# Altium PCB ROS-Robot-Controller.PcbDoc (part 2 of 2)
Units mm, origin at the board's own origin, x right, y up, seen from the top; angles counter-clockwise.
Board outline 50.09 x 64.28 mm, 2 copper layers (Top Layer, Bottom Layer); 82 components, 85 nets, 425 pads, 289 vias.
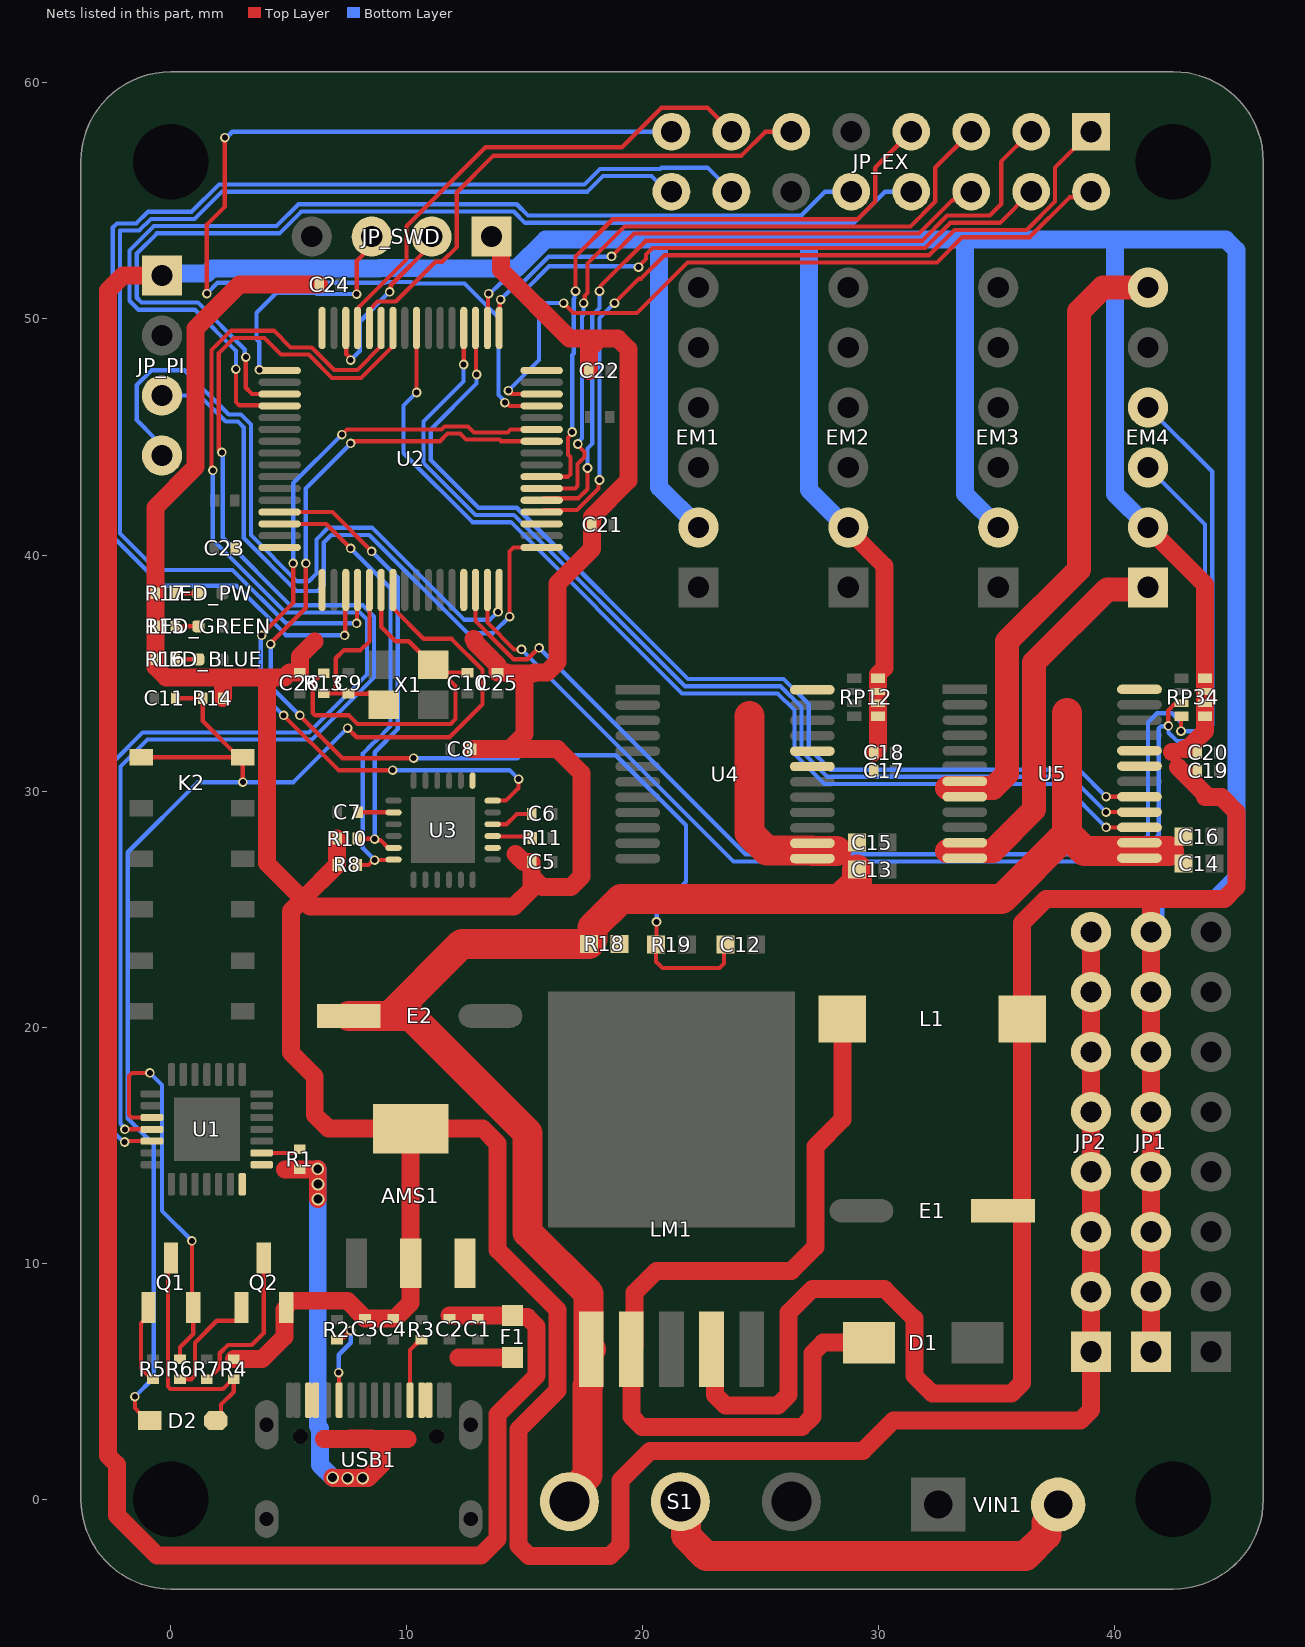
[diagram p2: the nets of this part, all layers, seen from the top]

## Via types
v1: diameter 0.406, hole 0.254, Top Layer to Bottom Layer, tented both sides, 181 vias
v2: diameter 0.61, hole 0.305, Top Layer to Bottom Layer, tented both sides, 102 vias
v3: diameter 0.533, hole 0.381, Top Layer to Bottom Layer, tented both sides, 6 vias

## Nets (pads, with @x,y where several pads share a name; then routed paths per layer and width w, separated by ;. In a path a pad name is that pad's centre, name@x,y a point inside that pad or via, vN(x,y) a via of type N, cw(c..) or ccw(c..) an arc to the next point about the centre after c; other vN are vias at no path point) (continued)
M4EA: EM4.3 RP34.4 U2.14 | length 55.1
  Top Layer w0.178: U2.14@12.91,38.519 12.91,37.205 13.462,36.653 13.462,36.641 14.52,35.583 15.113,35.583 v1(15.6,36.07) ; v1(42.799,32.535) 42.799,33.154 RP34.4@42.815,33.17
  Bottom Layer w0.178: v1(15.6,36.07) 15.603,36.07 24.35,27.323 40.608,27.323 41.402,28.117 41.402,32.916 41.783,33.297 42.418,33.297 42.799,32.916 v1(42.799,32.535) 43.434,32.535 43.815,32.916 43.815,41.298 EM4.3@41.402,43.711
M4EB: EM4.4 RP34.3 U2.15 | length 57.9
  Top Layer w0.178: U2.15@13.41,38.519 13.41,37.136 14.544,36.002 v1(14.855,36.002) ; v1(42.258,32.76) 42.258,33.418 42.499,33.659 42.754,33.659 RP34.3@42.815,33.72
  Bottom Layer w0.178: v1(14.855,36.002) 23.839,27.019 40.735,27.019 41.855,28.139 41.855,32.645 41.959,32.749 42.247,32.749 v1(42.258,32.76) ; EM4.4@41.402,46.251 44.12,43.533 44.12,32.79 43.446,32.116 42.625,32.116 42.272,32.469 42.272,32.748 v1@42.259,32.761
M4IN1: U2.35 U5.17 | length 43.4
  Top Layer w0.178: U2.35@12.91,49.619 12.932,49.597 12.932,47.67 v1(12.954,47.648) ; v1(39.624,29.759) U5.17@41.038,29.759
  Bottom Layer w0.178: v1(12.954,47.648) 12.954,47.267 11.011,45.324 11.011,44.028 13.037,42.001 14.656,42.001 21.913,34.745 25.961,34.745 27.026,33.68 27.026,31.823 27.942,30.907 38.476,30.907 v1(39.624,29.759)
M4IN2: U2.36 U5.16 | length 44
  Top Layer w0.178: v1(12.404,48.071) 12.41,48.078 U2.36@12.41,49.619 ; v1(39.624,29.109) U5.16@41.038,29.109
  Bottom Layer w0.178: v1(12.404,48.071) 12.404,47.352 10.706,45.654 10.706,43.902 12.911,41.697 14.53,41.697 21.786,34.44 25.835,34.44 26.721,33.554 26.721,31.697 27.816,30.602 38.131,30.602 v1(39.624,29.109)
M4OUT1: EM4.1 U5.11 U5.12 | length 16.8
  Top Layer w1.016: 32.893,27.455 33.638,27.455 33.65,27.467 34.823,27.467 36.576,29.22 36.576,35.438 39.674,38.536 41.307,38.536 EM4.1@41.402,38.631
M4OUT2: EM4.6 U5.7 U5.8 | length 27
  Top Layer w1.016: 32.893,30.122 34.838,30.122 35.433,30.717 35.433,36.345 38.481,39.393 38.481,50.315 39.497,51.331 EM4.6@41.402,51.331
M4PWM: U2.40 U5.15 | length 44.4
  Top Layer w0.178: U2.40@10.41,49.619 10.412,49.617 10.412,46.888 v1(10.414,46.886) ; v1(39.624,28.459) U5.15@41.038,28.459
  Bottom Layer w0.178: v1(10.414,46.886) 9.862,46.334 9.862,44.314 12.785,41.392 14.404,41.392 21.66,34.135 25.709,34.135 26.416,33.428 26.416,31.571 27.69,30.297 37.786,30.297 v1(39.624,28.459)
MPU6050_INT: U2.27 U3.12 | length 35.3
  Top Layer w0.178: v1(3.848,36.599) 3.848,36.637 5.182,37.971 v1(5.182,39.647) ; v1(4.775,33.208) 7.099,30.884 v1(9.398,30.884) ; v1(7.243,45.104) 7.458,45.319 11.468,45.319 11.6,45.451 12.588,45.451 12.842,45.197 14.271,45.197 14.393,45.319 U2.27@15.71,45.319 ; U3.12@13.634,29.594 14.204,29.594 14.732,30.122 v1(14.732,30.503)
  Bottom Layer w0.178: v1(3.848,36.599) 3.81,36.561 3.81,34.173 v1(4.775,33.208) ; v1(5.182,39.647) 5.182,43.043 v1(7.243,45.104) ; v1(9.398,30.884) 14.351,30.884 v1(14.732,30.503)
MPU6050_SCL: R10.1 U2.61 U3.23 | length 19.3
  Top Layer w0.178: U2.61@4.61,41.819 6.845,41.819 v1(8.509,40.155) ; R10.1@7.893,27.989 7.906,27.976 8.623,27.976 8.68,27.919 8.884,27.919 9.209,27.594 U3.23@9.434,27.594
  Bottom Layer w0.178: v1(8.509,40.155) 9.614,39.05 9.614,32.624 8.636,31.646 v1(8.636,27.963)
MPU6050_SDA: R8.1 U2.62 U3.24 | length 19.7
  Top Layer w0.178: U2.62@4.61,41.319 6.583,41.319 v1(7.62,40.282) ; R8.1@7.893,26.872 8.372,26.872 8.574,27.074 v1(8.636,27.074) 8.646,27.084 9.424,27.084 U3.24@9.434,27.094
  Bottom Layer w0.178: v1(7.62,40.282) 9.309,38.593 9.309,32.751 8.688,32.129 8.669,32.129 8.509,31.969 8.134,31.594 8.134,31.138 8.128,31.133 8.128,27.582 v1(8.636,27.074)
NetC6_2: C6.2 U3.10 | length 1.8
  Top Layer w0.178: U3.10@13.634,28.594 14.22,28.594 14.657,29.031 C6.2@15.289,29.031
NetC7_1: C7.1 U3.20 | length 1.5
  Top Layer w0.178: C7.1@7.943,29.106 7.949,29.1 9.428,29.1 U3.20@9.434,29.094
NetD1_2: D1.2 L1.1 LM1.2 | length 37.2
  Top Layer w0.762: L1.1@28.448,20.343 28.448,16.089 27.305,14.946 27.305,10.691 26.289,9.675 20.574,9.675 19.653,8.754 19.653,6.494 LM1.2@19.509,6.35 19.509,3.494 19.955,3.048 26.732,3.048 27.178,3.494 27.178,6.181 27.624,6.627 D1.2@29.577,6.627
NetD2_2: D2.2 Q1.3 R4.2 | length 10.6
  Top Layer w0.178: Q1.3@0,10.217 -0.127,10.09 -0.127,4.77 -0.023,4.666 2.201,4.666 2.617,5.082 R4.2@2.667,5.082 2.667,4.551 2.119,4.003 2.119,3.536 D2.2@1.908,3.325
NetLED_BLUE_1: LED_BLUE.1 R16.1 | length 1
  Top Layer w0.178: R16.1@0.192,35.583 LED_BLUE.1@1.164,35.583
NetLED_GREEN_1: LED_GREEN.1 R15.1 | length 1
  Top Layer w0.178: R15.1@0.192,36.98 LED_GREEN.1@1.164,36.98
NetLED_PW_1: LED_PW.1 R17.1 | length 1
  Top Layer w0.178: R17.1@0.192,38.377 LED_PW.1@1.164,38.377
NetQ1_1: Q1.1 R5.2 | length 3.4
  Top Layer w0.178: Q1.1@-0.95,8.117 -0.95,7.767 -1.161,7.556 -1.166,7.556 -1.27,7.452 -1.27,5.54 -0.812,5.082 R5.2@-0.762,5.082
NetQ2_1: Q2.1 R6.2 | length 4.9
  Top Layer w0.178: R6.2@0.381,5.082 0.868,5.082 1.016,5.23 1.016,6.627 1.945,7.556 2.776,7.556 2.987,7.767 Q2.1@2.987,8.117
NetQ2_3: Q2.3 R7.1 | length 6.8
  Top Layer w0.178: R7.1@1.524,5.082 1.574,5.082 2.07,5.578 2.07,6.179 2.42,6.529 3.429,6.529 3.937,7.037 Q2.3@3.937,10.217
NetR1_1: R1.1 U1.9 | length 1.7
  Top Layer w0.178: U1.9@3.848,14.667 5.256,14.667 5.411,14.822 R1.1@5.461,14.822
NetR2_2: R2.2 USB1.A5 | length 3.9
  Top Layer w0.178: R2.2@7.036,6.754 7.144,6.862 7.347,6.862 v1(7.62,7.135) ; v1(7.112,5.357) 7.122,5.347 7.122,4.204 USB1.A5@7.132,4.194
  Bottom Layer w0.178: v1(7.112,5.357) 7.112,6.119 7.62,6.627 v1(7.62,7.135)
NetR3_2: R3.2 USB1.B5 | length 2.8
  Top Layer w0.178: USB1.B5@10.132,4.194 10.132,6.319 10.567,6.754 R3.2@10.617,6.754
NetR11_2: R11.2 U3.9 | length 1.7
  Top Layer w0.178: U3.9@13.634,28.094 13.648,28.08 15.249,28.08 R11.2@15.314,28.015
NetS1_2: S1.2 VIN1.2 | length 19
  Top Layer w1.27: S1.2@21.589,-0.104 21.824,-0.337 21.824,-1.548 22.69,-2.413 36.206,-2.413 37.1,-1.519 37.1,-1.002 37.719,-0.383 VIN1.2@37.719,-0.358
OSCIN: C9.1 R13.2 U2.5 X1.3 | length 8.8
  Top Layer w0.178: R13.2@6.604,34.142 6.613,34.133 6.985,34.133 7.066,34.133 ; X1.3@8.402,34.166 8.456,34.166 8.471,34.151 X1.3@8.471,34.124 ; U2.5@8.41,38.519 8.41,36.344 8.035,35.969 7.329,35.969 6.985,35.625 6.985,34.213 7.066,34.133 ; X1.3@9.017,33.655 X1.3@8.967,33.655 ; 7.066,34.133 7.518,34.133 C9.1@7.527,34.124 X1.3@8.471,34.124 ; X1.3@8.471,34.124 8.471,34.097 8.913,33.655 X1.3@8.967,33.655 ; X1.3@8.471,34.124 8.498,34.124 X1.3@8.967,33.655
OSCOUT: C10.1 R13.1 U2.6 X1.1 | length 16.5
  Top Layer w0.178: R13.1@6.477,34.992 6.427,34.992 6.011,34.576 6.011,33.312 6.115,33.208 7.54,33.208 7.909,32.839 11.856,32.839 12.065,33.048 12.065,34.457 X1.1@11.505,35.017 ; U2.6@8.91,38.519 8.91,36.96 9.525,36.345 10.077,36.345 11.067,35.355 11.167,35.355 X1.1@11.505,35.017 ; C10.1@12.573,35.017 X1.1@11.505,35.017
PA4: JP_EX.1 U2.20 | length 35
  Top Layer w0.178: U2.20@15.71,41.819 15.799,41.908 17.204,41.908 18.117,42.821 18.117,43.136 v1(18.161,43.18) ; v1(18.796,50.673) 19.832,51.709 19.917,51.709 20.909,52.702 32.128,52.702 33.195,53.769 36.26,53.769 37.465,54.974 37.465,56.411 JP_EX.1@38.989,57.935
  Bottom Layer w0.178: v1(18.161,43.18) 18.161,50.038 v1(18.796,50.673)
PA5: JP_EX.3 U2.21 | length 33
  Top Layer w0.178: U2.21@15.71,42.319 15.799,42.408 17.273,42.408 17.653,42.788 v1(17.653,43.688) ; v1(18.161,51.181) 18.205,51.225 18.205,51.394 18.397,51.587 20.122,53.311 31.825,53.311 32.893,54.379 34.694,54.379 35.179,54.864 35.179,56.665 JP_EX.3@36.449,57.935
  Bottom Layer w0.178: v1(17.653,43.688) 17.653,44.519 17.856,44.723 17.856,50.164 18.161,50.469 v1(18.161,51.181)
PA6: JP_EX.5 U2.22 | length 30.8
  Top Layer w0.178: U2.22@15.71,42.819 17.13,42.819 17.234,42.923 17.234,43.862 17.526,44.154 17.526,44.361 17.245,44.642 v1(17.245,44.704) ; v1(17.488,50.673) 17.532,50.717 17.532,50.975 17.653,51.096 17.653,52.347 19.227,53.921 31.332,53.921 32.385,54.974 32.385,56.411 JP_EX.5@33.909,57.935
  Bottom Layer w0.178: v1(17.245,44.704) 17.245,44.766 17.424,44.945 17.424,50.114 17.488,50.178 v1(17.488,50.673)
PA7: JP_EX.7 U2.23 | length 27.9
  Top Layer w0.178: U2.23@15.71,43.319 16.825,43.319 16.929,43.423 16.929,44.145 16.826,44.249 16.826,44.971 17.005,45.15 v1(17.005,45.212) ; v1(17.145,51.181) 17.145,52.651 18.72,54.226 29.096,54.226 29.845,54.974 29.845,56.411 JP_EX.7@31.369,57.935
  Bottom Layer w0.178: v1(17.005,45.212) 17.005,48.473 17.069,48.536 17.069,50.847 17.101,50.879 17.101,51.137 v1(17.145,51.181)
PA11: JP_EX.11 U2.44 | length 23.1
  Top Layer w0.178: U2.44@8.41,49.619 8.41,50.386 8.758,50.735 9.526,50.735 11.215,52.424 11.491,52.424 12.115,53.049 12.115,55.368 13.666,56.919 24.17,56.919 25.186,57.935 JP_EX.11@26.289,57.935
PA12: JP_EX.13 U2.45 | length 21.4
  Top Layer w0.178: U2.45@7.91,49.619 7.91,50.402 7.971,50.463 7.971,50.516 9.983,52.528 9.983,53.932 10.607,54.556 13.329,57.277 19.114,57.277 20.788,58.951 22.733,58.951 JP_EX.13@23.749,57.935
PB10: JP_EX.15 U2.29 | length 44.5
  Top Layer w0.178: v1(1.524,51.077) 1.524,53.998 2.286,54.76 v1(2.286,57.681) ; v1(14.148,46.454) 14.21,46.454 14.345,46.319 U2.29@15.71,46.319
  Bottom Layer w0.178: v1(1.524,51.077) 1.982,51.535 9.059,51.535 9.097,51.573 10.201,51.573 10.265,51.509 12.437,51.509 13.881,50.065 13.881,46.783 14.148,46.516 v1(14.148,46.454) ; v1(2.286,57.681) 2.348,57.681 2.602,57.935 JP_EX.15@21.209,57.935
PB11: JP_EX.2 U2.30 | length 31.3
  Top Layer w0.178: v1(14.303,46.965) 14.303,46.941 14.425,46.819 U2.30@15.71,46.819 ; v1(16.637,50.673) 17.056,50.254 19.751,50.254 20.616,51.119 21.894,52.397 32.458,52.397 33.526,53.465 36.386,53.465 38.076,55.155 38.749,55.155 JP_EX.2@38.989,55.395
  Bottom Layer w0.178: v1(14.303,46.965) 15.597,48.259 15.597,50.418 15.852,50.673 v1(16.637,50.673)
PB12: JP_EX.4 U2.33 | length 25.8
  Top Layer w0.178: U2.33@13.91,49.619 13.933,49.642 13.933,50.786 v1(13.97,50.823) ; v1(19.812,52.197) 19.812,52.22 20.133,52.541 20.133,52.729 20.41,53.007 31.952,53.007 33.019,54.074 35.128,54.074 JP_EX.4@36.449,55.395
  Bottom Layer w0.178: v1(13.97,50.823) 14.377,51.23 15.023,51.23 16.025,52.233 19.776,52.233 v1(19.812,52.197)
PB13: JP_EX.6 U2.34 | length 23.7
  Top Layer w0.178: U2.34@13.41,49.619 13.433,49.642 13.433,51.048 v1(13.462,51.077) ; v1(18.669,52.652) 19.633,53.616 31.699,53.616 33.117,55.034 33.163,55.034 33.524,55.395 JP_EX.6@33.909,55.395
  Bottom Layer w0.178: v1(13.462,51.077) 13.524,51.077 13.982,51.535 14.897,51.535 16.001,52.639 18.656,52.639 v1(18.669,52.652)
PC10: JP_EX.8 U2.51 | length 44.8
  Top Layer w0.178: v1(3.175,48.387) 3.175,47.087 3.443,46.819 U2.51@4.61,46.819
  Bottom Layer w0.178: v1(3.175,48.387) 3.131,48.431 3.131,48.707 1.142,50.696 -1.243,50.696 -1.447,50.9 -1.447,52.778 -0.595,53.63 4.601,53.63 5.527,54.556 14.528,54.556 15.01,54.074 28.945,54.074 30.266,55.395 JP_EX.8@31.369,55.395
PC11: JP_EX.10 U2.52 | length 43.6
  Top Layer w0.178: v1(2.756,47.879) 2.756,46.485 2.898,46.342 4.587,46.342 U2.52@4.61,46.319
  Bottom Layer w0.178: v1(2.756,47.879) 2.756,48.651 1.016,50.391 -1.37,50.391 -1.752,50.773 -1.752,52.905 -0.722,53.935 4.475,53.935 5.401,54.861 14.655,54.861 15.136,54.379 26.71,54.379 27.726,55.395 JP_EX.10@28.829,55.395
PC14: JP_EX.14 U2.3 | length 54.3
  Top Layer w0.178: v1(7.366,36.599) 7.388,36.621 7.388,38.497 U2.3@7.41,38.519
  Bottom Layer w0.178: v1(7.366,36.599) 7.36,36.605 4.87,36.605 2.777,38.698 -0.371,38.698 -2.464,40.791 -2.464,53.87 -2.285,54.049 -1.47,54.049 -0.974,54.544 0.878,54.544 2.034,55.7 17.527,55.7 18.187,56.36 20.737,56.36 20.788,56.411 22.733,56.411 JP_EX.14@23.749,55.395
PC15: JP_EX.16 U2.4 | length 50.5
  Top Layer w0.178: v1(7.874,37.107) 7.892,37.125 7.892,38.501 U2.4@7.91,38.519
  Bottom Layer w0.178: v1(7.874,37.107) 4.88,37.107 2.617,39.37 -0.612,39.37 -2.159,40.917 -2.159,53.744 -1.343,53.744 -0.848,54.24 1.005,54.24 2.16,55.395 17.653,55.395 18.313,56.055 20.361,56.055 21.021,55.395 JP_EX.16@21.209,55.395
RESET: C11.2 D2.1 K2.1 K2.2 R14.1 U2.7 | length 59.7
  Top Layer w0.178: v1(-1.524,4.341) -1.524,3.857 -1.303,3.636 -0.992,3.325 D2.1@-0.892,3.325 ; K2.1@-1.261,31.428 K2.2@2.889,31.428 ; C11.2@0.196,33.932 R14.1@1.353,33.932 1.353,32.964 K2.2@2.889,31.428 ; K2.2@3.039,31.235 3.06,31.235 3.048,31.223 v1(3.048,30.376) ; K2.2@3.039,31.428 K2.2@2.889,31.428 ; v1(7.487,32.668) 7.874,32.281 11.811,32.281 13.208,33.678 13.208,35.137 11.896,36.449 10.713,36.449 9.41,37.752 U2.7@9.41,38.519
  Bottom Layer w0.178: v1(-1.524,4.341) -0.724,5.141 -0.724,15.027 -1.828,16.131 -1.828,27.405 1.143,30.376 v1(3.048,30.376) 5.194,30.376 v1(7.487,32.668)
RTS: Q1.2 R6.1 U1.24 | length 16.7
  Top Layer w0.178: v1(-0.889,18.057) -1.651,18.057 -1.778,17.93 -1.778,16.279 -1.666,16.167 U1.24@-0.8,16.167 ; R6.1@0.381,5.932 0.381,6.434 0.95,7.003 Q1.2@0.95,8.117 0.889,8.178 v1(0.889,10.945)
  Bottom Layer w0.178: v1(-0.889,18.057) -0.381,17.549 -0.381,12.215 v1(0.889,10.945)
SWCLK: JP_SWD.3 U2.49 | length 10.7
  Top Layer w0.178: v1(3.745,47.842) 3.769,47.819 U2.49@4.61,47.819 ; v1(7.874,51.054) 7.874,52.458 8.509,53.093 JP_SWD.3@8.509,53.49
  Bottom Layer w0.178: v1(3.745,47.842) 3.745,49.028 3.632,49.141 3.632,50.264 4.484,51.116 6.117,51.116 6.179,51.054 v1(7.874,51.054)
SWDIO: JP_SWD.2 U2.46 | length 8.1
  Top Layer w0.178: U2.46@7.41,49.619 7.433,49.596 7.433,48.508 7.62,48.322 v1(7.62,48.26) ; v1(9.271,51.154) 9.315,51.198 9.315,51.429 11.049,53.163 JP_SWD.2@11.049,53.49
  Bottom Layer w0.178: v1(7.62,48.26) 8.001,48.641 8.001,49.884 v1(9.271,51.154)
USART1_RX_DEBUG: U1.26 U2.43 | length 57.8
  Top Layer w0.178: v1(-1.956,15.13) -1.919,15.167 U1.26@-0.8,15.167 U1.26@-0.546,15.167 ; v1(1.778,43.584) 1.727,43.635 1.727,48.409 1.727,48.69 2.541,49.505 2.823,49.505 4.366,49.505 5.076,48.795 5.967,48.795 6.921,47.841 7.899,47.841 8.91,48.852 U2.43@8.91,49.619
  Bottom Layer w0.178: v1(-1.956,15.13) -2.012,15.13 -2.437,15.555 -2.437,31.241 -1.194,32.484 5.848,32.484 8.306,34.942 8.306,37.268 8.009,37.564 4.854,37.564 1.778,40.64 v1(1.778,43.584)
USART1_TX_DEBUG: U1.25 U2.42 | length 57.1
  Top Layer w0.178: v1(-1.953,15.663) -1.949,15.667 U1.25@-0.8,15.667 U1.25@-0.546,15.667 ; v1(2.159,44.346) 2.032,44.473 2.032,48.283 2.032,48.564 2.668,49.2 2.949,49.2 3.964,49.2 4.674,48.49 5.841,48.49 6.832,47.498 8.056,47.498 9.41,48.852 U2.42@9.41,49.619
  Bottom Layer w0.178: v1(-1.953,15.663) -1.953,15.725 -2.132,15.905 -2.132,31.038 -0.991,32.179 5.974,32.179 8.611,34.816 8.611,37.394 8.136,37.869 5.074,37.869 2.197,40.746 2.197,44.308 v1(2.159,44.346)
USART2_RX_PI: JP_PI.3 U2.17 | length 29.2
  Top Layer w0.178: v1(14.351,37.386) 14.351,40.155 14.515,40.319 U2.17@15.71,40.319
  Bottom Layer w0.178: JP_PI.3@-0.381,46.759 1.22,46.759 2.325,45.654 2.841,45.654 3.086,45.409 3.086,40.719 5.326,38.479 6.217,38.479 6.477,38.739 6.477,40.536 6.795,40.854 8.403,40.854 12.567,36.689 13.654,36.689 v1(14.351,37.386)
USART2_TX_PI: JP_PI.4 U2.16 | length 29.9
  Top Layer w0.178: v1(13.859,37.591) 13.887,37.619 13.887,38.496 U2.16@13.91,38.519
  Bottom Layer w0.178: JP_PI.4@-0.381,44.219 -0.672,44.51 -0.672,44.942 -1.447,45.717 -1.447,47.201 -0.823,47.825 0.585,47.825 2.451,45.959 2.967,45.959 3.391,45.535 3.391,40.845 5.351,38.885 5.842,38.885 6.172,39.215 6.172,40.662 6.668,41.158 8.529,41.158 12.427,37.261 13.525,37.261 13.855,37.591 v1(13.859,37.591)
USB_5V: F1.1 R1.2 U1.7 U1.8 USB1.A4 USB1.A9 USB1.B4 USB1.B9 | length 27.7
  Top Layer w0.762: 4.826,13.972 6.202,13.972 v3(6.223,13.993) v3@6.223,12.711 ; 6.477,2.54 10.033,2.54 ; v3(6.858,0.912) 6.881,0.889 v3(8.128,0.889) 8.359,0.889 8.955,1.485 8.955,2.117 8.509,2.563 7.599,2.563 ; 12.192,5.992 F1.1@14.478,5.992
  Bottom Layer w0.762: v3(6.223,13.993) 6.223,3.101 6.325,2.999 6.325,1.445 6.881,0.889 v3(8.128,0.889)
  other v3: 7.493,0.889 6.234,12.711 6.234,13.346
VCC3V3: AMS1.2 AMS1.4 C3.2 C4.2 C5.2 C8.1 C21.2 C22.2 C23.2 C24.2 C25.2 C26.2 JP2.1 JP2.2 JP2.3 JP2.4 JP2.5 JP2.6 JP2.7 JP2.8 JP_SWD.1 Q2.2 R4.1 R8.2 R10.2 R14.2 R15.2 R16.2 R17.2 U2.1 U2.13 U2.19 U2.32 U2.48 U2.64 U3.8 U3.13 | length 219.9
  Top Layer w0.762: R14.2@2.203,33.932 2.203,34.738 2.286,34.821 ; R4.1@2.667,5.932 3.872,5.932 4.806,6.866 4.806,8.036 Q2.2@4.887,8.117 ; 4.308,34.821 4.064,34.821 ; 4.322,34.821 4.822,34.821 5.018,35.017 C26.2@5.461,35.017 5.461,35.71 6.096,36.345 ; 5.333,8.405 7.479,8.405 C3.2@8.23,7.654 C4.2@9.423,7.654 9.499,7.654 10.16,8.315 AMS1.2@10.16,10 AMS1.4@10.16,15.7 ; C24.2@6.281,51.458 2.911,51.458 1.049,49.596 1.049,43.728 -0.658,42.021 R17.2@-0.658,38.377 R15.2@-0.658,36.98 R16.2@-0.658,35.583 -0.658,35.265 -0.214,34.821 2.286,34.821 ; R10.2@7.043,27.989 R8.2@7.043,26.872 5.588,25.417 ; C8.1@12.746,31.773 14.351,31.773 ; 12.832,36.439 12.89,36.38 12.89,36.299 13.843,35.346 C25.2@13.843,35.017 14.242,35.017 14.273,34.986 15.36,34.986 15.391,35.017 15.937,35.017 16.383,35.463 16.383,38.798 17.838,40.253 C21.2@17.838,41.275 17.838,41.61 19.38,43.152 19.38,48.726 18.934,49.172 16.891,49.172 13.977,52.086 13.977,53.102 JP_SWD.1@13.589,53.49 ; 14.57,34.986 14.986,34.571 14.986,32.408 14.351,31.773 ; 14.605,27.328 14.934,26.999 C5.2@15.289,26.999 15.289,26.377 ; C22.2@17.711,47.798 17.711,48.726 18.157,49.172 ; JP2.8@38.989,24.026 JP2.7@38.989,21.486 JP2.6@38.989,18.946 JP2.5@38.989,16.406 JP2.4@38.989,13.866 JP2.3@38.989,11.326 JP2.2@38.989,8.786 JP2.1@38.989,6.246 38.989,3.771 38.543,3.325 30.607,3.325 29.314,2.032 20.297,2.032 19.05,0.785 19.05,-1.967 18.604,-2.413 15.178,-2.413 14.732,-1.967 14.732,2.944 16.383,4.595 16.383,8.024 13.843,10.564 13.843,15.071 13.214,15.7 AMS1.4@10.16,15.7 ; 2.286,34.821 4.064,34.821 ; 4.064,34.821 4.064,26.941 5.588,25.417 ; 5.588,25.417 5.899,25.106 14.542,25.106 15.289,25.853 15.289,26.377 ; 5.588,25.417 5.088,24.917 5.088,23.085 5.08,23.077 5.08,18.923 6.096,17.907 6.096,16.279 6.675,15.7 AMS1.4@10.16,15.7 ; 14.351,31.773 16.383,31.773 17.399,30.757 17.399,26.377 16.953,25.931 15.735,25.931 15.551,26.115 15.289,26.377
  Bottom Layer w0.762: JP2.1@38.989,6.246 JP2.2@38.989,8.786 JP2.3@38.989,11.326 JP2.4@38.989,13.866 JP2.5@38.989,16.406 JP2.6@38.989,18.946 JP2.7@38.989,21.486 JP2.8@38.989,24.026
VCC5V: AMS1.3 C1.2 C2.2 C17.1 C18.2 C19.1 C20.2 E1.1 EM1.2 EM2.2 EM3.2 EM4.2 F1.2 JP1.1 JP1.2 JP1.3 JP1.4 JP1.5 JP1.6 JP1.7 JP1.8 JP_PI.1 L1.2 LM1.4 RP12.5 RP12.6 RP12.7 RP12.8 RP34.5 RP34.6 RP34.7 RP34.8 U4.19 U4.20 U5.19 U5.20 | length 331.4
  Top Layer w0.762: JP_PI.1@-0.381,51.839 -2.032,51.839 -2.667,51.204 -2.667,1.838 -2.286,1.457 -2.286,-0.695 -0.591,-2.39 13.143,-2.39 13.843,-1.69 13.843,3.579 15.494,5.23 15.494,7.324 15.111,7.707 14.541,7.707 F1.2@14.478,7.77 14.467,7.781 13.005,7.781 C2.2@11.811,7.781 ; LM1.4@22.909,6.35 23.053,6.206 23.053,4.685 23.053,4.406 23.499,3.96 25.716,3.96 26.162,4.406 26.162,7.897 27.178,8.913 30.226,8.913 31.496,7.643 31.496,5.23 32.258,4.468 35.622,4.468 36.068,4.914 36.068,12.215 L1.2@36.068,20.343 36.068,24.407 37.084,25.423 41.529,25.423 ; EM2.2@28.702,41.171 28.702,41.068 30.226,39.544 30.226,35.216 29.956,34.946 RP12.7@29.956,34.22 RP12.6@29.956,33.72 29.956,31.803 C18.2@29.776,31.623 ; EM4.2@41.402,41.171 43.815,38.758 RP34.8@43.815,34.77 RP34.7@43.815,34.22 RP34.6@43.815,33.72 RP34.5@43.815,33.17 43.815,32.535 43.053,31.773 42.926,31.773 ; JP1.1@41.529,6.246 JP1.2@41.529,8.786 JP1.3@41.529,11.326 JP1.4@41.529,13.866 JP1.5@41.529,16.406 JP1.6@41.529,18.946 JP1.7@41.529,21.486 JP1.8@41.529,24.026 41.529,25.423 ; 42.418,31.646 42.509,31.646 ; 42.672,31.011 43.157,30.526 43.815,29.868 43.815,29.741 44.512,29.741 45.141,29.112 45.141,25.931 44.633,25.423 41.529,25.423
  Bottom Layer w0.762: JP_PI.1@-0.381,51.839 -0.292,51.928 1.531,51.928 1.735,52.132 8.812,52.132 8.85,52.17 10.449,52.17 10.486,52.132 14.649,52.132 15.88,53.363 20.689,53.363 ; EM1.2@22.352,41.171 22.352,41.203 20.689,42.866 20.689,53.363 ; EM2.2@28.702,41.171 28.62,41.171 27.039,42.752 27.039,53.363 ; EM3.2@35.052,41.171 35.052,41.196 33.655,42.593 33.655,53.363 ; EM4.2@41.402,41.171 41.402,41.196 40.005,42.593 40.005,53.363 ; JP1.1@41.529,6.246 JP1.2@41.529,8.786 JP1.3@41.529,11.326 JP1.4@41.529,13.866 JP1.5@41.529,16.406 JP1.6@41.529,18.946 JP1.7@41.529,21.486 JP1.8@41.529,24.026 41.708,24.205 41.708,25.156 41.975,25.423 44.252,25.423 45.141,26.312 45.141,52.917 44.695,53.363 40.005,53.363 ; 20.689,53.363 27.039,53.363 ; 27.039,53.363 33.655,53.363 ; 33.655,53.363 40.005,53.363
VCC12V: C13.2 C14.2 C15.2 C16.2 E2.1 LM1.1 R18.2 S1.3 U4.13 U4.14 U4.24 U5.13 U5.14 U5.24 | length 78.7
  Top Layer w1.27: E2.1@7.541,20.47 9.271,20.47 ; S1.3@16.945,0.15 16.945,0.285 17.653,0.993 17.653,4.811 17.699,4.857 17.699,6.24 LM1.1@17.809,6.35 17.699,6.46 17.699,8.717 15.113,11.303 15.113,15.517 10.16,20.47 9.271,20.47 ; R18.2@17.526,23.526 12.327,23.526 9.271,20.47 ; R18.2@17.706,23.526 17.863,23.683 17.863,24.223 19.063,25.423 28.324,25.423 ; 24.511,33.178 24.511,28.219 25.254,27.476 27.157,27.476 27.178,27.455 28.194,27.455 ; C13.2@29.068,26.67 29.068,26.167 28.324,25.423 ; 37.973,33.297 37.973,28.199 ; 42.291,27.455 38.717,27.455 37.973,28.199 ; 28.324,25.423 35.197,25.423 37.973,28.199
VIN_ADC: C12.2 R18.1 R19.2 U2.26 | length 50.4
  Top Layer w0.178: v1(4.229,36.222) 4.229,36.264 5.715,37.75 v1(5.715,39.647) ; v1(5.461,33.208) 7.277,31.392 v1(10.287,31.392) ; v1(7.62,44.727) 7.712,44.819 11.399,44.819 11.726,45.146 12.258,45.146 12.512,44.892 13.918,44.892 13.991,44.819 U2.26@15.71,44.819 ; v1(20.574,24.458) 20.574,23.51 R19.2@20.559,23.495 20.559,22.771 20.828,22.502 23.241,22.502 23.436,22.697 23.436,23.436 C12.2@23.495,23.495
  Bottom Layer w0.178: v1(4.229,36.222) 4.229,34.44 v1(5.461,33.208) ; v1(5.715,39.647) 5.715,42.822 v1(7.62,44.727) ; v1(10.287,31.392) 14.674,31.392 14.801,31.519 18.85,31.519 21.819,28.55 21.819,26.16 20.587,24.928 20.587,24.47 v1(20.574,24.458)
pads on no net: S1.1 U1.1 U1.2 U1.6 U1.10 U1.11 U1.12 U1.13 U1.14 U1.15 U1.16 U1.17 U1.18 U1.19 U1.20 U1.21 U1.22 U1.23 U1.27 U3. U3.2 U3.3 U3.4 U3.5 U3.6 U3.7 U3.14 U3.15 U3.16 U3.17 U3.19 U3.21 U3.22 USB1.0 USB1.A8 USB1.B8

## Polygon pours and split planes (outlines as drawn)
VCC12V on Top Layer "VCC12V_L01_P003" (solid, remove dead copper, pour order 3): 28.194,34.059 25.273,34.059 25.146,33.932 25.146,32.662 23.876,32.662 24.003,34.29 24.44,34.821 28.194,34.821
M3OUT2 on Top Layer "M3OUT2_L01_P025" (solid, remove dead copper, pour order 25): 32.802,32.025 34.785,32.016 34.814,30.863 32.636,30.848 31.623,31.75 32.258,32.512
M3OUT1 on Top Layer "M3OUT1_L01_P024" (solid, remove dead copper, pour order 24): 34.544,34.544 34.544,33.401 32.555,33.401 32.555,34.554 32.561,34.554 32.639,35.687 33.655,35.687 33.909,34.671
GND on Top Layer "GND_L01_P023" (solid, remove dead copper, pour order 23): 48.514,62.865 48.514,-6.223 -6.223,-6.223 -6.223,62.865
VCC3V3 on Top Layer "VCC3V3_L01_P021" (solid, remove dead copper, pour order 21): 12.669,30.145 12.573,31.519 12.573,32.027 12.923,32.027 12.923,30.78 12.923,30.145
VCC3V3 on Top Layer "VCC3V3_L01_P020" (solid, remove dead copper, pour order 20): 13.335,27.709 14.732,27.709 14.986,27.455 14.478,26.947 13.97,27.455 13.335,27.455
VCC3V3 on Top Layer "VCC3V3_L01_P019" (solid, remove dead copper, pour order 19): 6.644,40.536 6.641,37.65 6.477,36.345 5.461,36.218 5.842,36.851 6.192,37.615 6.192,40.536
VCC3V3 on Top Layer "VCC3V3_L01_P014" (solid, remove dead copper, pour order 14): 14.859,41.552 18.161,41.552 18.161,41.044 16.891,41.044 14.859,41.044
VCC3V3 on Top Layer "VCC3V3_L01_P018" (solid, remove dead copper, pour order 18): 12.643,39.52 12.641,37.65 13.208,36.599 12.573,36.345 12.192,36.811 12.192,39.52
VCC3V3 on Top Layer "VCC3V3_L01_P017" (solid, remove dead copper, pour order 17): 6.604,40.028 2.413,40.028 2.413,40.536 3.429,40.536 6.604,40.536
VCC3V3 on Top Layer "VCC3V3_L01_P016" (solid, remove dead copper, pour order 16): 6.096,48.664 6.096,51.839 6.604,51.839 6.604,48.664
VCC3V3 on Top Layer "VCC3V3_L01_P015" (solid, remove dead copper, pour order 15): 14.859,48.052 18.161,48.052 18.161,47.544 16.891,47.544 14.859,47.544
VIN_ADC on Top Layer "VIN_ADC_L01_P013" (solid, remove dead copper, pour order 13): 18.542,24.026 21.082,24.026 21.082,23.01 18.542,23.01
USB_5V on Top Layer "USB_5V_L01_P012" (solid, remove dead copper, pour order 12): 10.541,4.976 11.049,4.976 11.049,3.452 10.795,2.944 10.414,2.182 9.398,2.182 9.398,2.944 10.148,3.094 10.541,3.388
USB_5V on Top Layer "USB_5V_L01_P011" (solid, remove dead copper, pour order 11): 5.715,4.976 5.715,3.452 5.969,2.944 6.223,2.182 7.747,2.182 7.747,2.944 6.731,2.944 6.35,3.198 6.223,3.452 6.223,4.976
VCC5V on Top Layer "VCC5V_L01_P010" (solid, remove dead copper, pour order 10): 13.081,11.072 13.081,8.786 13.716,8.151 13.716,7.389 11.43,7.389 11.43,8.405 11.938,8.913 11.938,11.072
USB_5V on Top Layer "USB_5V_L01_P009" (solid, remove dead copper, pour order 9): 11.049,3.96 10.541,3.96 10.541,5.992 10.922,6.373 12.7,6.373 12.7,5.611 11.049,5.611
USB_5V on Top Layer "USB_5V_L01_P008" (solid, remove dead copper, pour order 8): 3.302,14.374 5.588,14.374 5.588,13.739 3.81,13.739 3.424,13.49 3.319,12.851 2.794,12.86 2.794,13.993
VCC5V on Top Layer "VCC5V_L01_P007" (solid, remove dead copper, pour order 7): 40.022,31.918 42.181,31.918 42.435,32.172 43.815,32.172 43.815,30.394 42.799,30.394 42.308,30.775 40.022,30.775
VCC5V on Top Layer "VCC5V_L01_P006" (solid, remove dead copper, pour order 6): 26.162,31.9 28.321,31.9 28.575,32.154 30.099,32.154 30.099,30.376 29.442,30.376 28.448,30.757 26.162,30.757
VCC12V on Top Layer "VCC12V_L01_P005" (solid, remove dead copper, pour order 5): 40.022,27.981 42.164,28.09 42.435,28.616 43.451,28.616 43.451,26.076 42.308,26.076 42.037,26.693 40.022,26.838
VCC12V on Top Layer "VCC12V_L01_P004" (solid, remove dead copper, pour order 4): 42.054,34.077 39.134,34.077 38.608,33.551 38.608,32.68 37.338,32.68 37.338,34.313 37.864,34.839 42.054,34.839
VCC12V on Top Layer "VCC12V_L01_P001" (solid, remove dead copper, pour order 1): 26.162,27.963 28.321,28.09 28.575,28.598 29.591,28.598 29.591,26.058 28.448,26.058 28.194,26.693 26.162,26.82
GND on Bottom Layer "GND_L02_P022" (solid, remove dead copper, pour order 22): 48.514,62.865 48.514,-6.223 -6.223,-6.223 -6.223,62.865

## Keep-outs
Keep-Out Layer:
  the board outline again, w1.27

## Silkscreen, mask and mechanical layers (free items; w line width, h text height)
Top Overlay:
  text "5V" at -3.048,52.866 h0.64 r270
  text "DIO" at 10.253,51.435 h0.64
  text "3V3" at 12.666,51.435 h0.64
  text "GND" at 1.236,51.308 h0.64
  text "CLK" at 3.522,51.308 h0.64
  text "树莓派" at 0.889,51.178 h2.03 r270
  text "GND" at -3.048,50.199 h0.64 r270
  text "RX" at -3.048,47.341 h0.64 r270
  text "TX" at -3.048,45.246 h0.64 r270
  text "POWER" at 1.694,37.846 h0.64
  text "GREEN" at 2.634,36.449 h0.64
  text "BLUE" at 2.126,35.052 h0.64
  text "RESET" at 3.937,32.378 h1.78 r270
  text "KEY1" at 3.937,27.707 h1.78 r270
  text "KEY2" at 3.937,23.393 h1.78 r270
  text "开<------->关" at 14.721,3.429 h2.29
  text "3-5-G" at 40.513,2.921 h2.54
  text "VCC" at 40.513,-3.175 h2.03
Bottom Overlay:
  drawing of 2111 lines, arcs and shapes, not listed
  text "@Github / fan-ziqi" at 4.727,59.563 h3.56 r180
  text "M4" at 39.521,54.483 h3.56 r180
  text "M2" at 26.976,54.356 h3.56 r180
  text "M3" at 33.331,54.356 h3.56 r180
  text "M1" at 20.508,54.229 h3.56 r180
  text "OUT2" at 41.987,51.816 h2.03 r180
  text "GND" at 41.86,49.276 h2.03 r180
  text "EB" at 41.733,46.736 h2.03 r180
  text "EA" at 41.733,44.196 h2.03 r180
  text "5V" at 41.733,41.656 h2.03 r180
  text "OUT1" at 41.86,39.243 h2.03 r180
  text "FanZiqi" at 8.127,33.149 h5.59 r180
  text "ROS" at 30.618,33.062 h9.4 r180
  text "Designed by" at 8.094,29.288 h3.3 r180
  text "Ver 2.0" at 0.348,22.696 h4.06 r180
  text "ROS机器人四电机驱动控制板" at 0.299,17.34 h3.05 r180
  text "ROS-Controller" at 0.315,12.192 h6.6 r180